# KiCad board mobo.kicad_pcb
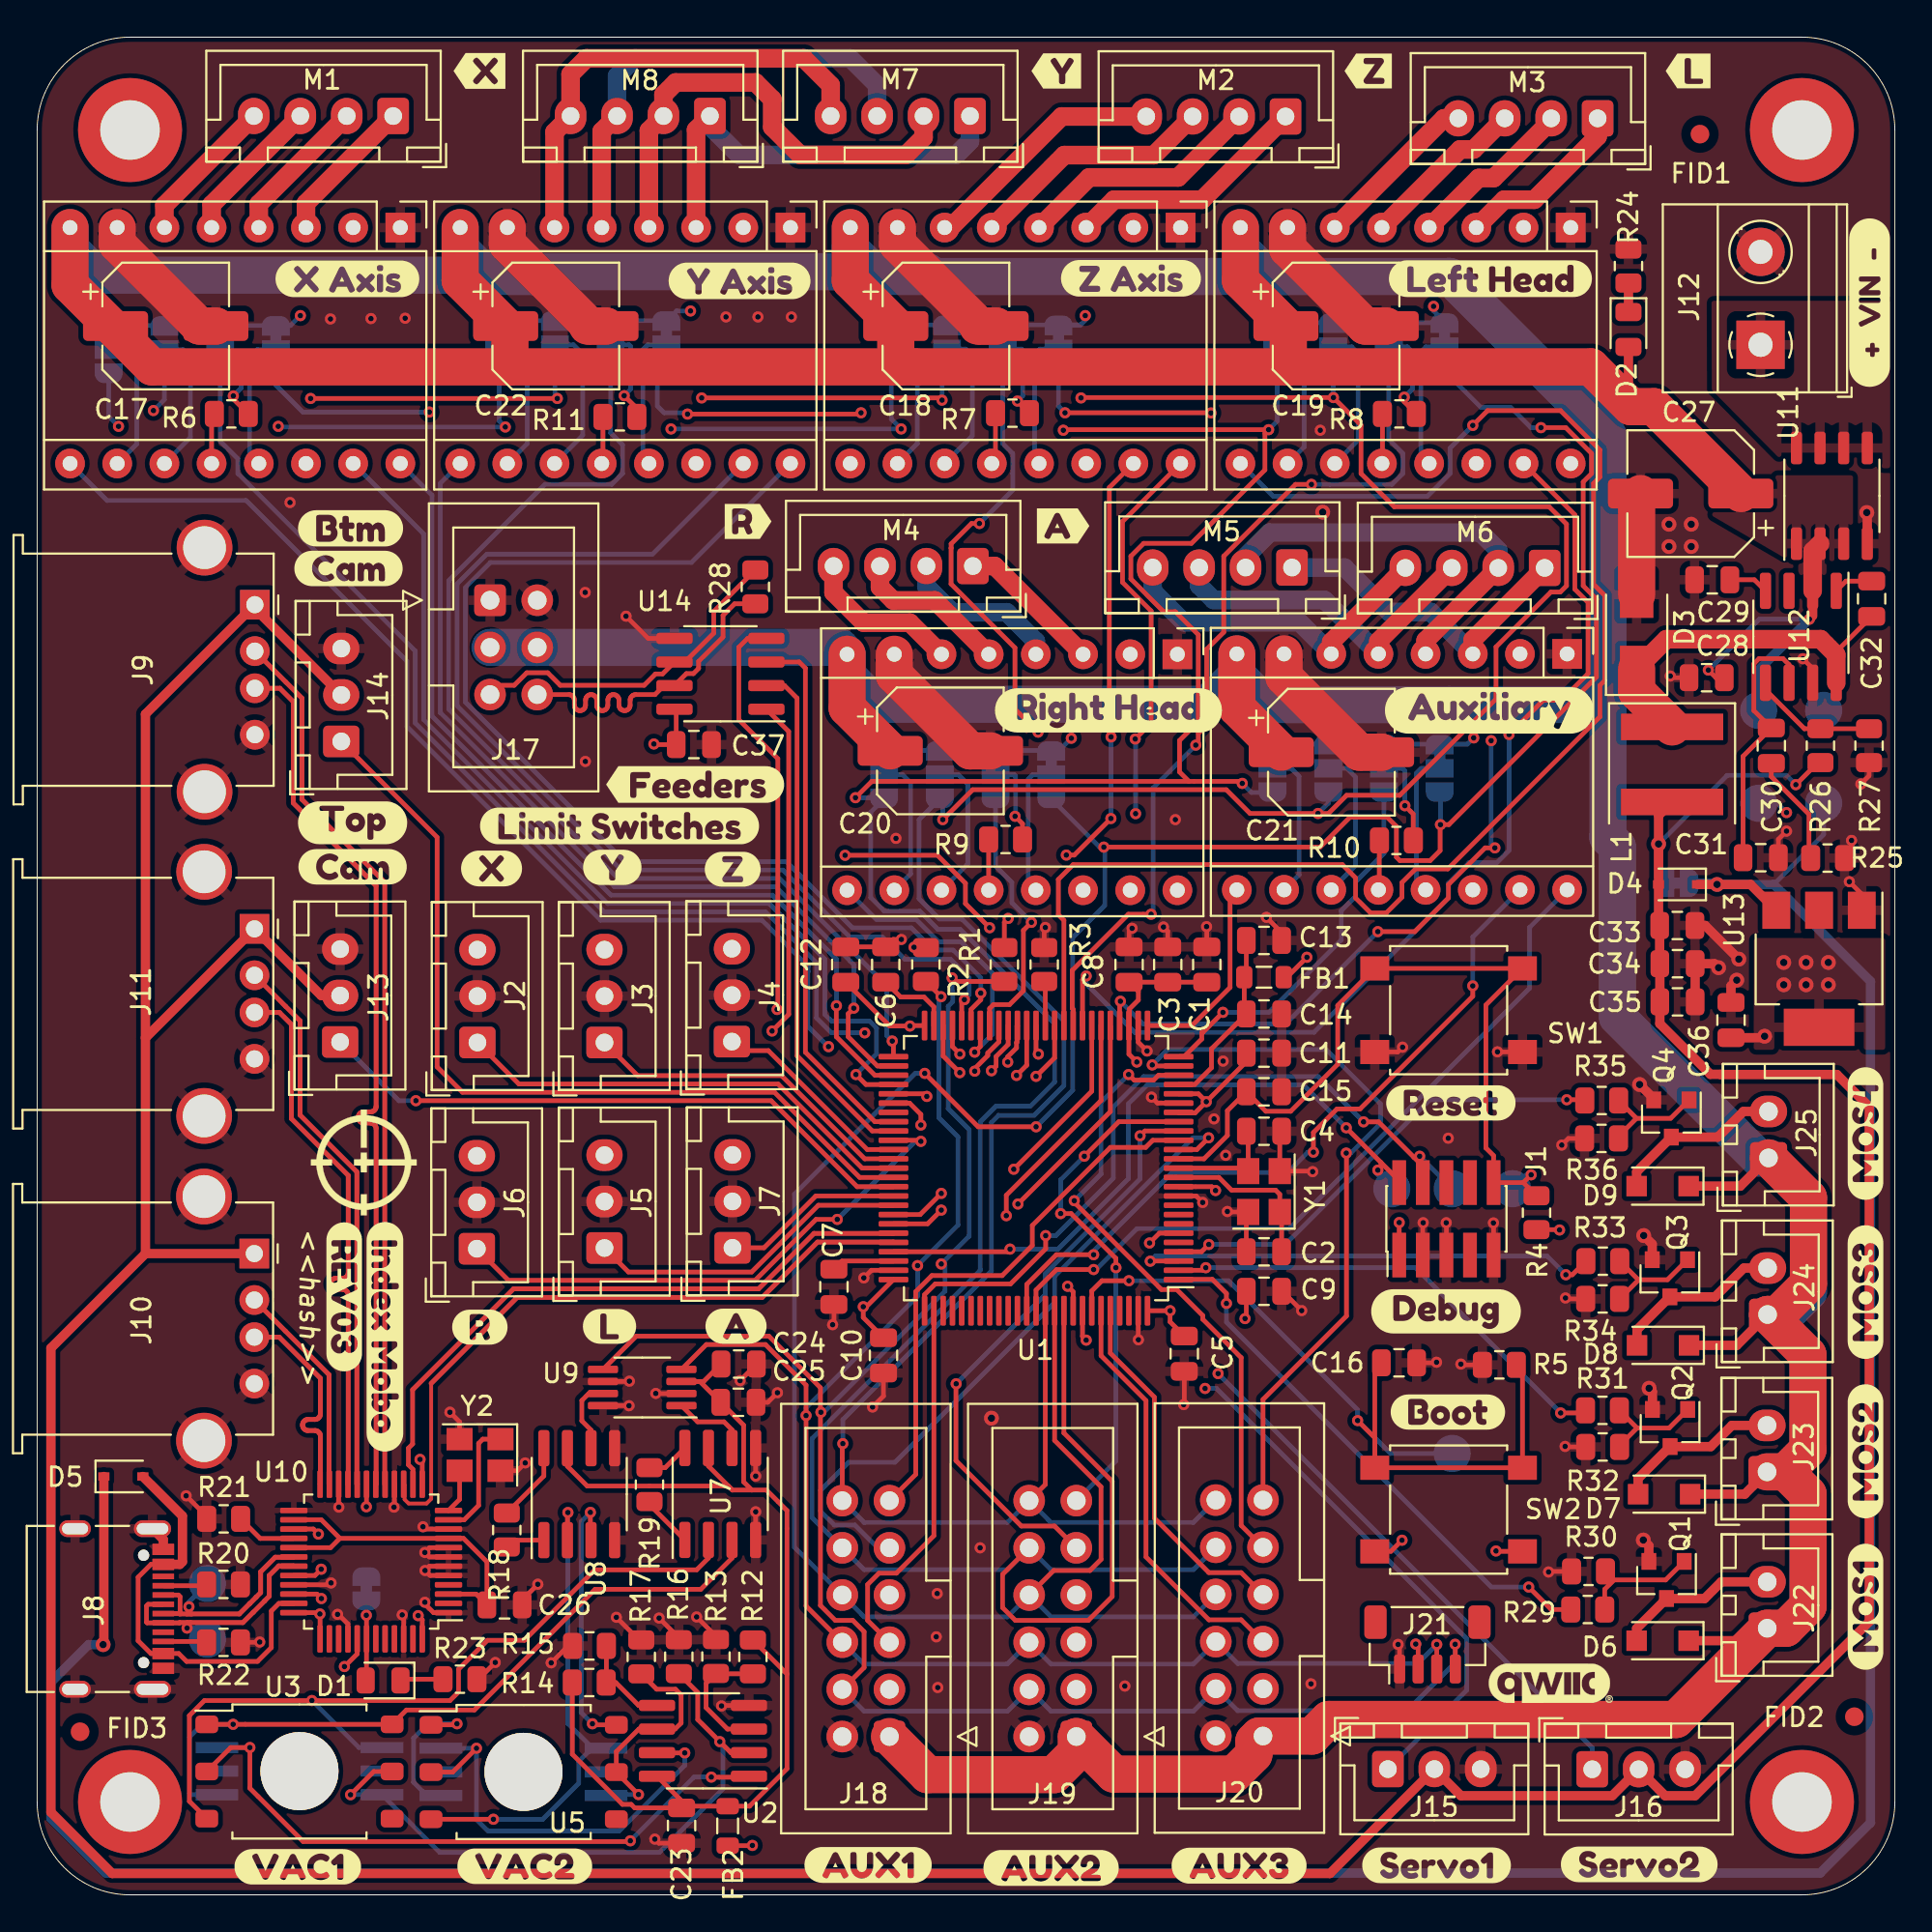
[diagram p0: board, top side]
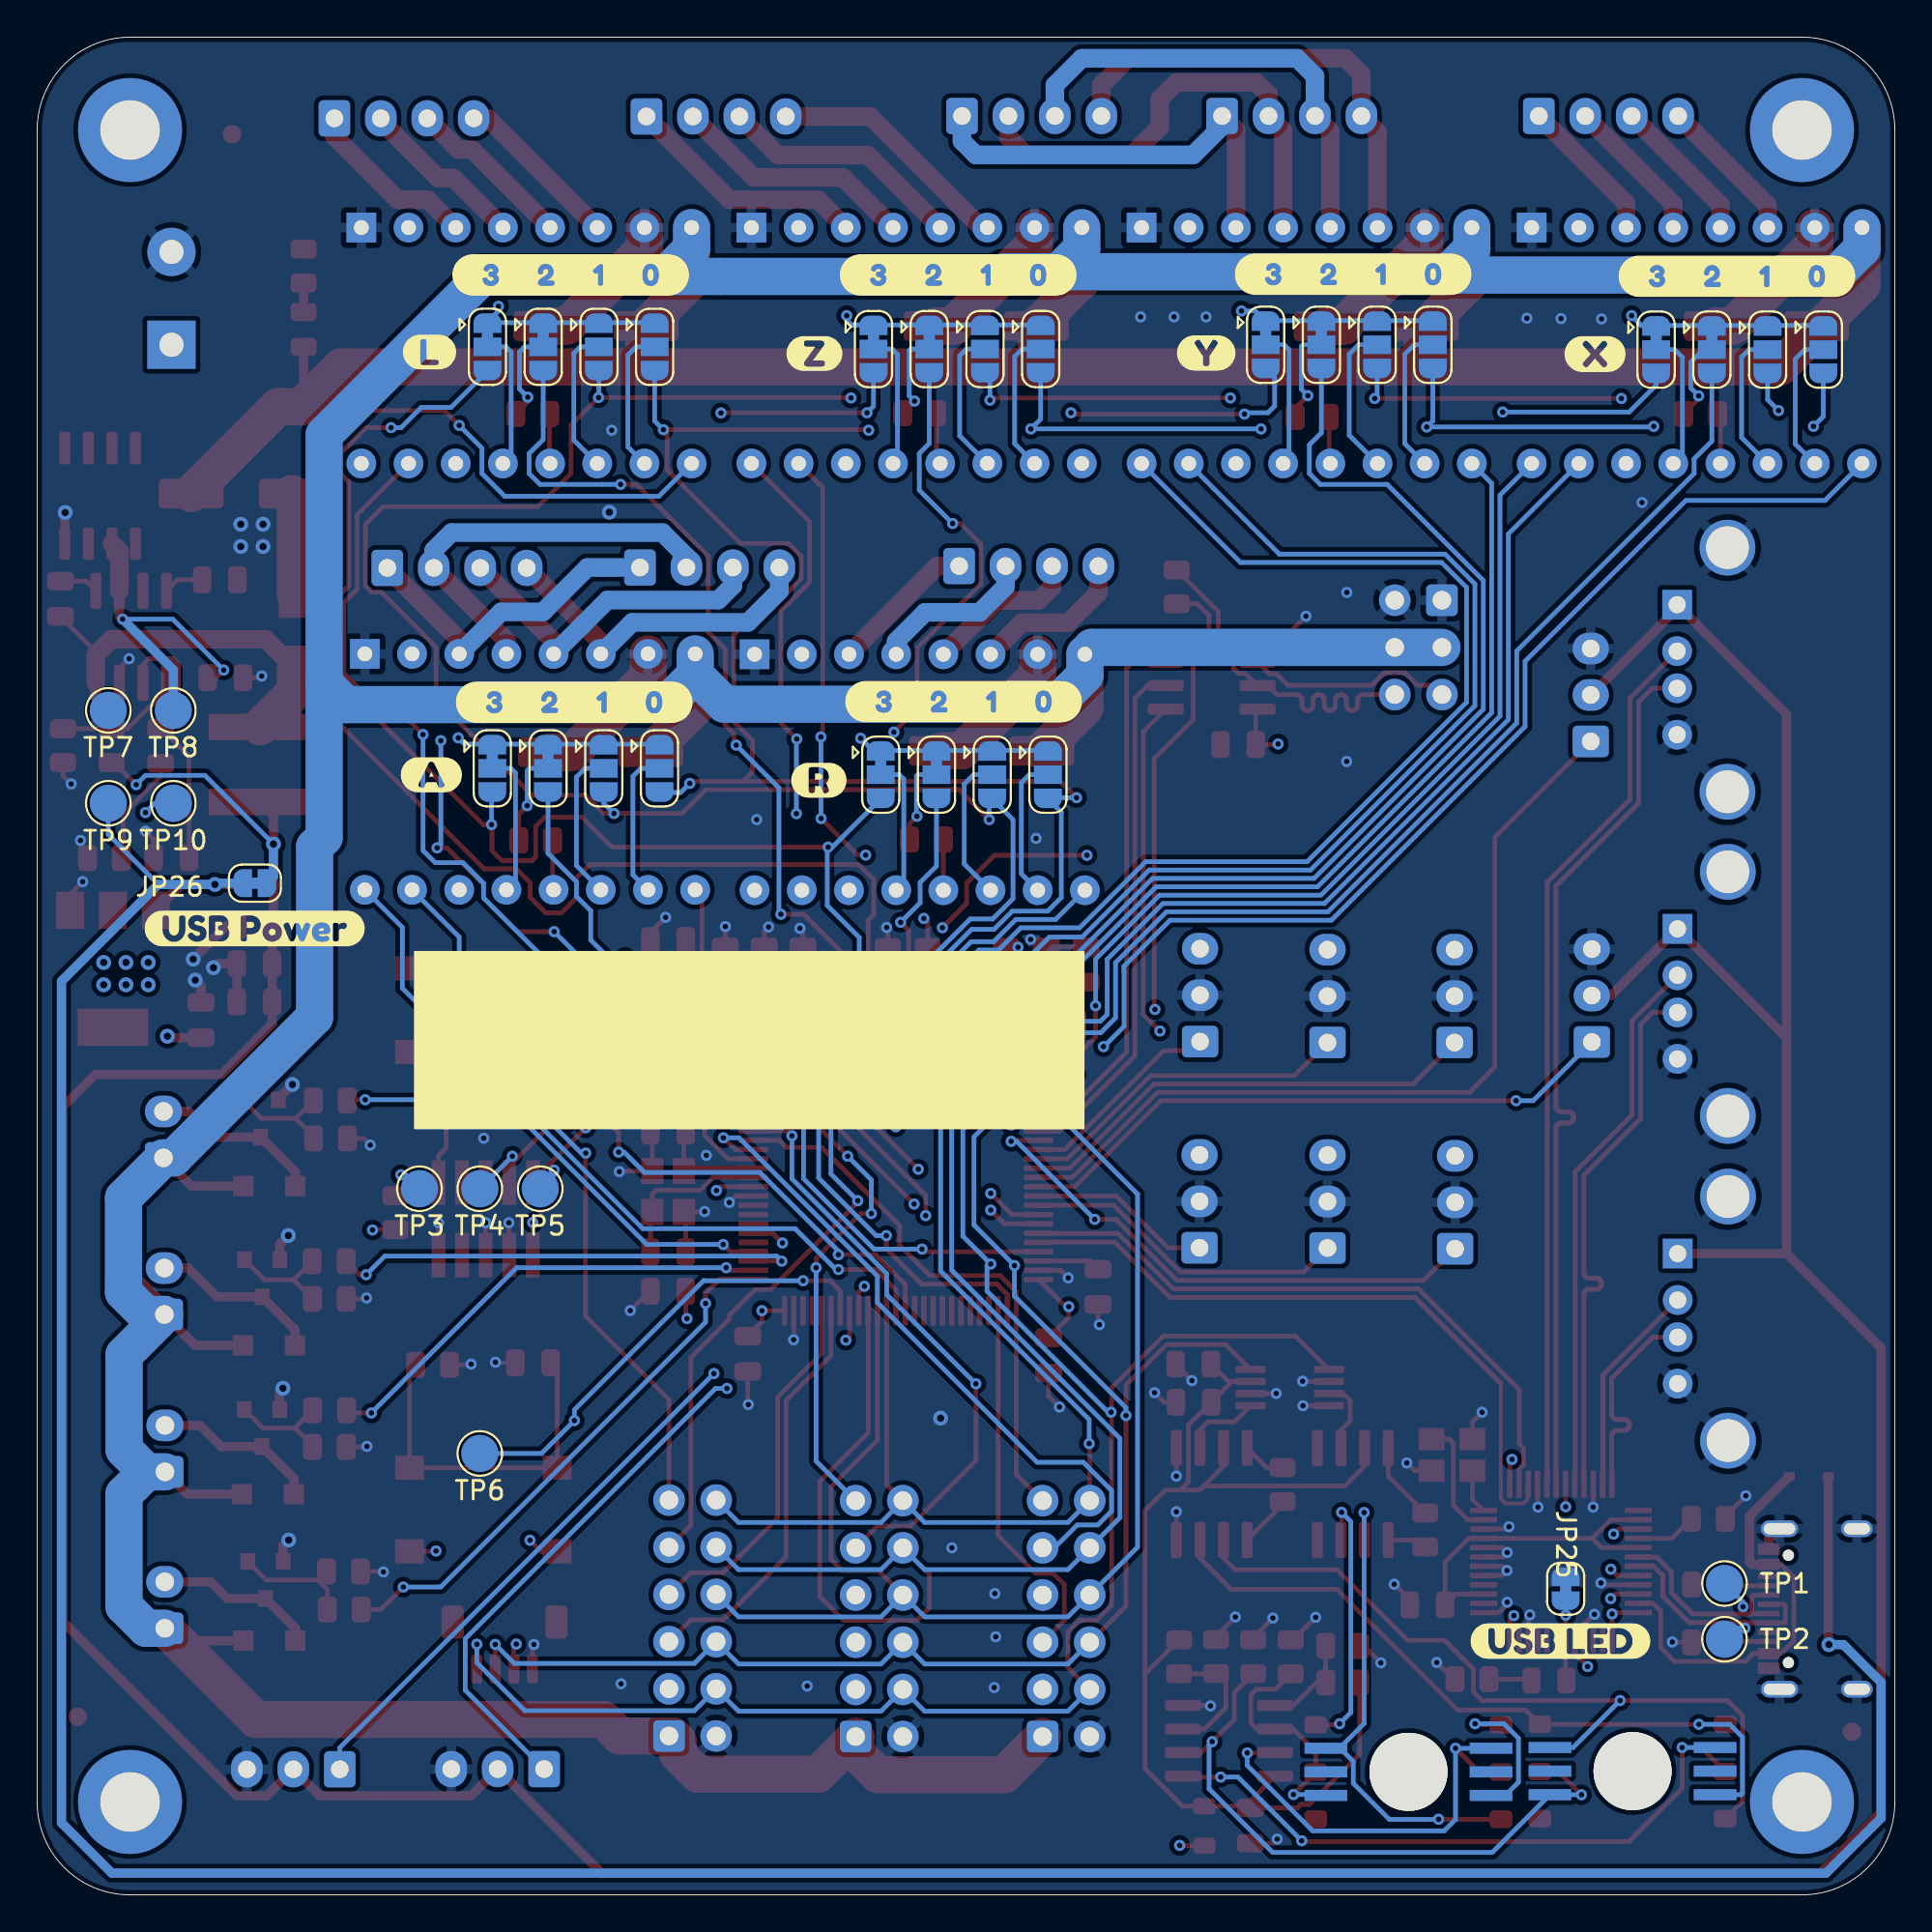
[diagram p1: board, bottom side, seen from below]

Outline 100 x 100 mm; copper layers: Top, In1.Cu (plane), In2.Cu (plane), Bottom. Coordinates in mm from the lower left corner of the outline.
Outline path: 0,95 0,5 arc(1.46,1.46) 5,0 95,0 arc(98.54,1.46) 100,5 100,95 arc(98.54,98.54) 95,100 5,100 arc(1.46,98.54) 0,95
Stack: Top 0.035mm / dielectric 0.48mm FR4 er 4.5 / In1.Cu 0.035mm / dielectric 0.48mm FR4 er 4.5 / In2.Cu 0.035mm / dielectric 0.48mm FR4 er 4.5 / Bottom 0.035mm

## Placement (name value [footprint] x y rotation side)
A1  Motor_Driver  [Pololu_Breakout-16_15.2x20.3mm]  19.55 89.75 270 top
A2  Motor_Driver  [Pololu_Breakout-16_15.2x20.3mm]  61.55 89.75 270 top
A3  Motor_Driver  [Pololu_Breakout-16_15.2x20.3mm]  82.55 89.75 270 top
A4  Motor_Driver  [Pololu_Breakout-16_15.2x20.3mm]  61.38 66.78 270 top
A5  Motor_Driver  [Pololu_Breakout-16_15.2x20.3mm]  82.36 66.8 270 top
A6  Motor_Driver  [Pololu_Breakout-16_15.2x20.3mm]  40.55 89.75 270 top
C1  2.2u  [C_0805_2012Metric]  62.96 50.08 90 top
C2  10p  [C_0805_2012Metric]  66.04 34.62 180 top
C3  2.2u  [C_0805_2012Metric]  60.86 50.08 90 top
C4  10p  [C_0805_2012Metric]  66.04 41.11 0 top
C5  100n  [C_0805_2012Metric]  61.75 29.13 270 top
C6  2.2u  [C_0805_2012Metric]  45.68 50.08 90 top
C7  2.2u  [C_0805_2012Metric]  42.89 32.73 270 top
C8  100n  [C_0805_2012Metric]  58.78 50.08 90 top
C9  100n  [C_0805_2012Metric]  66.04 32.49 0 top
C10  100n  [C_0805_2012Metric]  45.56 29.04 270 top
C11  100n  [C_0805_2012Metric]  66.04 45.31 0 top
C12  100n  [C_0805_2012Metric]  43.53 50.08 90 top
C13  100n  [C_0805_2012Metric]  66.04 51.38 0 top
C14  2.2u  [C_0805_2012Metric]  66.04 47.42 0 top
C15  100n  [C_0805_2012Metric]  66.04 43.23 0 top
C16  100n  [C_0805_2012Metric]  73.31 28.64 0 top
C17  100u  [CP_Elec_6.3x7.7]  6.92 84.45 0 top
C18  100u  [CP_Elec_6.3x7.7]  48.92 84.45 0 top
C19  100u  [CP_Elec_6.3x7.7]  69.92 84.45 0 top
C20  100u  [CP_Elec_6.3x7.7]  48.62 61.58 0 top
C21  100u  [CP_Elec_6.3x7.7]  69.67 61.51 0 top
C22  100u  [CP_Elec_6.3x7.7]  27.92 84.45 0 top
C23  100n  [C_0805_2012Metric]  34.69 3.73 270 top
C24  10u  [C_0805_2012Metric]  37.77 28.57 0 top
C25  100n  [C_0805_2012Metric]  37.75 26.51 0 top
C26  10u  [C_0805_2012Metric]  25.16 15.61 0 top
C27  100u  [CP_Elec_6.3x7.7]  89.01 75.43 180 top
C28  10n  [C_0805_2012Metric]  89.87 65.52 0 top
C29  10n  [C_0805_2012Metric]  90.17 70.79 0 top
C30  2.2n  [C_0805_2012Metric]  93.35 61.86 90 top
C31  22p  [C_0805_2012Metric]  92.78 55.83 180 top
C32  100n  [C_0805_2012Metric]  98.75 69.77 270 top
C33  22u  [C_0805_2012Metric]  88.29 52.18 180 top
C34  22u  [C_0805_2012Metric]  88.3 50.12 180 top
C35  22u  [C_0805_2012Metric]  88.3 48.07 180 top
C36  10u  [C_0805_2012Metric]  91.18 47.09 90 top
C37  100n  [C_0805_2012Metric]  35.35 61.92 0 top
D1  Yellow  [LED_0805_2012Metric]  18.62 11.54 180 top
D2  Yellow  [LED_0805_2012Metric]  85.66 84.26 270 top
D3  SS34  [D_SMA]  86.1 67.99 90 top
D4  CUS10S30  [D_SOD-323]  88.33 54.39 180 top
D5  CUS10S30  [D_SOD-323]  4.64 22.52 0 top
D6  SM4007  [D_SOD-123F]  87.5 13.68 180 top
D7  SM4007  [D_SOD-123F]  87.58 21.57 180 top
D8  SM4007  [D_SOD-123F]  87.52 29.58 180 top
D9  SM4007  [D_SOD-123F]  87.5 38.15 180 top
FB1  2.5k  [L_0805_2012Metric]  66.04 49.4 0 top
FB2  2.5k  [L_0805_2012Metric]  37.17 3.71 270 top
FID1  Fiducial  [Fiducial_1mm_Mask2mm]  89.51 94.78 0 top
FID2  Fiducial  [Fiducial_1mm_Mask2mm]  97.82 9.59 0 top
FID3  Fiducial  [Fiducial_1mm_Mask2mm]  2.31 8.78 180 top
G***  LOGO  [logo]  17.59 39.43 270 top
G***#2  LOGO  [qwicc_logo]  81.43 11.45 0 top
G***#3  LOGO  [goblin]  86.94 13.63 225 bottom
H1  MountingHole  [MountingHole_3.2mm_M3_DIN965_Pad]  5 95 0 top
H2  MountingHole  [MountingHole_3.2mm_M3_DIN965_Pad]  5 5 0 top
H3  MountingHole  [MountingHole_3.2mm_M3_DIN965_Pad]  95 95 0 top
H4  MountingHole  [MountingHole_3.2mm_M3_DIN965_Pad]  95 5 0 top
J1  SWD Header  [PinHeader_2x05_P1.27mm_Vertical_SMD]  75.86 36.39 90 top
J2  X_LIMIT  [JST_XH_B3B-XH-A_1x03_P2.50mm_Vertical]  23.7 45.88 90 top
J3  Y_LIMIT  [JST_XH_B3B-XH-A_1x03_P2.50mm_Vertical]  30.54 45.88 90 top
J4  Z_LIMIT  [JST_XH_B3B-XH-A_1x03_P2.50mm_Vertical]  37.4 45.93 90 top
J5  L_LIMIT  [JST_XH_B3B-XH-A_1x03_P2.50mm_Vertical]  30.54 34.82 90 top
J6  R_LIMIT  [JST_XH_B3B-XH-A_1x03_P2.50mm_Vertical]  23.67 34.78 90 top
J7  A_LIMIT  [JST_XH_B3B-XH-A_1x03_P2.50mm_Vertical]  37.43 34.83 90 top
J8  Host  [USB_C_Receptacle_Palconn_UTC16-G]  4.28 15.39 270 top
J9  Bottom Camera  [USB_A_Stewart_SS-52100-001_Horizontal]  11.72 69.45 270 top
J10  AUX USB  [USB_A_Stewart_SS-52100-001_Horizontal]  11.69 34.52 270 top
J11  Top Camera  [USB_A_Stewart_SS-52100-001_Horizontal]  11.7 52 270 top
J12  Power  [TerminalBlock_Phoenix_MKDS-1,5-2_1x02_P5.00mm_Horizontal]  92.77 83.44 90 top
J13  DOWNWARDS_LIGHT  [JST_XH_B3B-XH-A_1x03_P2.50mm_Vertical]  16.31 45.91 90 top
J14  UPWARDS_LIGHT  [JST_XH_B3B-XH-A_1x03_P2.50mm_Vertical]  16.37 62.09 90 top
J15  SERVO1  [JST_XH_B3B-XH-A_1x03_P2.50mm_Vertical]  72.71 6.77 0 top
J16  SERVO2  [JST_XH_B3B-XH-A_1x03_P2.50mm_Vertical]  83.71 6.76 0 top
J17  Feeders  [IDC-Header_2x03_P2.54mm_Vertical]  24.38 69.69 0 top
J18  AUX  [IDC-Header_2x06_P2.54mm_Vertical]  45.88 8.52 180 top
J19  AUX  [IDC-Header_2x06_P2.54mm_Vertical]  55.94 8.52 180 top
J20  AUX  [IDC-Header_2x06_P2.54mm_Vertical]  65.99 8.55 180 top
J21  qwiic  [JST_SH_BM04B-SRSS-TB_1x04-1MP_P1.00mm_Vertical]  74.84 13.48 0 top
J22  Mosfet  [JST_XH_B2B-XH-A_1x02_P2.50mm_Vertical]  93.13 14.35 90 top
J23  Mosfet  [JST_XH_B2B-XH-A_1x02_P2.50mm_Vertical]  93.12 22.77 90 top
J24  Mosfet  [JST_XH_B2B-XH-A_1x02_P2.50mm_Vertical]  93.15 31.24 90 top
J25  Mosfet  [JST_XH_B2B-XH-A_1x02_P2.50mm_Vertical]  93.2 39.67 90 top
JP1  CFG0  [SolderJumper-3_P1.3mm_Open_RoundedPad1.0x1.5mm]  3.85 83.18 270 bottom
JP2  CFG2  [SolderJumper-3_P1.3mm_Bridged23_RoundedPad1.0x1.5mm]  9.85 83.18 270 bottom
JP3  CFG1  [SolderJumper-3_P1.3mm_Open_RoundedPad1.0x1.5mm]  6.85 83.18 270 bottom
JP4  CFG3  [SolderJumper-3_P1.3mm_Bridged12_RoundedPad1.0x1.5mm]  12.85 83.18 270 bottom
JP5  CFG0  [SolderJumper-3_P1.3mm_Open_RoundedPad1.0x1.5mm]  45.98 83.21 270 bottom
JP6  CFG2  [SolderJumper-3_P1.3mm_Bridged23_RoundedPad1.0x1.5mm]  51.98 83.21 270 bottom
JP7  CFG1  [SolderJumper-3_P1.3mm_Open_RoundedPad1.0x1.5mm]  48.98 83.21 270 bottom
JP8  CFG3  [SolderJumper-3_P1.3mm_Bridged12_RoundedPad1.0x1.5mm]  54.98 83.21 270 bottom
JP9  CFG0  [SolderJumper-3_P1.3mm_Open_RoundedPad1.0x1.5mm]  66.76 83.33 270 bottom
JP10  CFG2  [SolderJumper-3_P1.3mm_Bridged23_RoundedPad1.0x1.5mm]  72.76 83.33 270 bottom
JP11  CFG1  [SolderJumper-3_P1.3mm_Open_RoundedPad1.0x1.5mm]  69.76 83.33 270 bottom
JP12  CFG3  [SolderJumper-3_P1.3mm_Bridged12_RoundedPad1.0x1.5mm]  75.76 83.33 270 bottom
JP13  CFG0  [SolderJumper-3_P1.3mm_Open_RoundedPad1.0x1.5mm]  45.59 60.3 270 bottom
JP14  CFG2  [SolderJumper-3_P1.3mm_Bridged23_RoundedPad1.0x1.5mm]  51.59 60.3 270 bottom
JP15  CFG1  [SolderJumper-3_P1.3mm_Open_RoundedPad1.0x1.5mm]  48.59 60.3 270 bottom
JP16  CFG3  [SolderJumper-3_P1.3mm_Bridged12_RoundedPad1.0x1.5mm]  54.59 60.3 270 bottom
JP17  CFG0  [SolderJumper-3_P1.3mm_Open_RoundedPad1.0x1.5mm]  66.5 60.64 270 bottom
JP18  CFG2  [SolderJumper-3_P1.3mm_Bridged23_RoundedPad1.0x1.5mm]  72.5 60.64 270 bottom
JP19  CFG1  [SolderJumper-3_P1.3mm_Open_RoundedPad1.0x1.5mm]  69.5 60.64 270 bottom
JP20  CFG3  [SolderJumper-3_P1.3mm_Bridged12_RoundedPad1.0x1.5mm]  75.5 60.64 270 bottom
JP21  CFG0  [SolderJumper-3_P1.3mm_Open_RoundedPad1.0x1.5mm]  24.87 83.44 270 bottom
JP22  CFG2  [SolderJumper-3_P1.3mm_Bridged23_RoundedPad1.0x1.5mm]  30.87 83.44 270 bottom
JP23  CFG1  [SolderJumper-3_P1.3mm_Open_RoundedPad1.0x1.5mm]  27.87 83.44 270 bottom
JP24  CFG3  [SolderJumper-3_P1.3mm_Bridged12_RoundedPad1.0x1.5mm]  33.87 83.44 270 bottom
JP25  USB_LED  [SolderJumper-2_P1.3mm_Bridged_RoundedPad1.0x1.5mm]  17.72 16.48 90 bottom
JP26  EN_VBUS  [SolderJumper-2_P1.3mm_Bridged_RoundedPad1.0x1.5mm]  88.28 54.46 0 bottom
kibuzzard-61025CA6  G***  [label]  98.64 85.71 90 top
kibuzzard-61046E92  G***  [label]  16.87 73.56 0 top
kibuzzard-61046EDB  G***  [label]  78.17 63.76 0 top
L1  12u  [L_Coilcraft_XAL60xx_6.36x6.56mm]  88.01 60.85 270 top
M1  Stepper_Motor  [JST_XH_B4B-XH-A_1x04_P2.50mm_Vertical]  19.17 95.75 180 top
M2  Stepper_Motor  [JST_XH_B4B-XH-A_1x04_P2.50mm_Vertical]  67.2 95.73 180 top
M3  Stepper_Motor  [JST_XH_B4B-XH-A_1x04_P2.50mm_Vertical]  84 95.63 180 top
M4  Stepper_Motor  [JST_XH_B4B-XH-A_1x04_P2.50mm_Vertical]  50.37 71.53 180 top
M5  MOTOR1  [JST_XH_B4B-XH-A_1x04_P2.50mm_Vertical]  67.55 71.45 180 top
M6  MOTOR2  [JST_XH_B4B-XH-A_1x04_P2.50mm_Vertical]  81.15 71.43 180 top
M7  MOTOR1  [JST_XH_B4B-XH-A_1x04_P2.50mm_Vertical]  50.22 95.75 180 top
M8  MOTOR2  [JST_XH_B4B-XH-A_1x04_P2.50mm_Vertical]  36.22 95.75 180 top
Q1  AO3400A  [SOT-23]  87.71 16.95 270 top
Q2  AO3400A  [SOT-23]  87.9 25.13 270 top
Q3  AO3400A  [SOT-23]  87.89 33.19 270 top
Q4  AO3400A  [SOT-23]  87.97 41.79 270 top
R1  4.7k  [R_0805_2012Metric]  52.06 50.08 270 top
R2  4.7k  [R_0805_2012Metric]  47.84 50.08 270 top
R3  10k  [R_0805_2012Metric]  54.21 50.08 90 top
R4  10k  [R_0805_2012Metric]  80.71 36.72 90 top
R5  10k  [R_0805_2012Metric]  78.71 28.53 180 top
R6  1k  [R_0805_2012Metric]  10.45 79.72 0 top
R7  1k  [R_0805_2012Metric]  52.5 79.76 0 top
R8  1k  [R_0805_2012Metric]  73.33 79.72 0 top
R9  1k  [R_0805_2012Metric]  52.13 56.81 0 top
R10  1k  [R_0805_2012Metric]  73.17 56.76 0 top
R11  1k  [R_0805_2012Metric]  31.37 79.56 0 top
R12  4.7k  [R_0805_2012Metric]  38.53 12.81 270 top
R13  2.7k  [R_0805_2012Metric]  36.54 12.83 90 top
R14  4.7k  [R_0805_2012Metric]  29.72 11.43 0 top
R15  2.7k  [R_0805_2012Metric]  29.73 13.4 180 top
R16  402  [R_0805_2012Metric]  34.54 12.82 90 top
R17  402  [R_0805_2012Metric]  32.52 12.81 90 top
R18  27R  [R_0805_2012Metric]  25.28 19.64 90 top
R19  27R  [R_0805_2012Metric]  32.96 22.08 90 top
R20  5.1k  [R_0805_2012Metric]  10.03 16.71 0 top
R21  2.7k  [R_0805_2012Metric]  10.04 20.24 180 top
R22  5.1k  [R_0805_2012Metric]  10.03 13.59 0 top
R23  560  [R_0805_2012Metric]  22.76 11.61 0 top
R24  10k  [R_0805_2012Metric]  85.66 87.68 90 top
R25  12.1k  [R_0805_2012Metric]  96.38 55.81 0 top
R26  10k  [R_0805_2012Metric]  95.99 61.86 90 top
R27  1.91k  [R_0805_2012Metric]  98.61 61.86 270 top
R28  120  [R_0805_2012Metric]  38.66 70.41 270 top
R29  560  [R_0805_2012Metric]  83.47 15.36 0 top
R30  36k  [R_0805_2012Metric]  83.51 17.41 0 top
R31  560  [R_0805_2012Metric]  84.26 26.08 0 top
R32  36k  [R_0805_2012Metric]  84.27 24.11 0 top
R33  560  [R_0805_2012Metric]  84.28 34.11 0 top
R34  36k  [R_0805_2012Metric]  84.27 32.08 0 top
R35  560  [R_0805_2012Metric]  84.22 42.76 0 top
R36  36k  [R_0805_2012Metric]  84.21 40.72 0 top
svg2mod  G***  [label]  16.98 57.71 0 top
svg2mod#2  G***  [label]  16.98 55.34 0 top
svg2mod#3  G***  [label]  24.46 55.25 0 top
svg2mod#4  G***  [label]  31.35 57.54 0 top
svg2mod#5  G***  [label]  35.42 59.77 0 top
svg2mod#6  G***  [label]  16.76 71.4 0 top
svg2mod#7  G***  [label]  18.72 30.04 270 top
svg2mod#8  G***  [label]  16.53 32.19 270 top
svg2mod#9  G***  [label]  23.83 30.56 0 top
svg2mod#10  G***  [label]  30.81 30.6 0 top
svg2mod#11  G***  [label]  37.62 30.61 0 top
svg2mod#12  G***  [label]  37.44 55.21 0 top
svg2mod#13  G***  [label]  30.96 55.31 0 top
svg2mod#14  G***  [label]  98.42 15.51 90 top
svg2mod#15  G***  [label]  98.42 32.45 90 top
svg2mod#16  G***  [label]  98.42 40.98 90 top
svg2mod#17  G***  [label]  98.42 23.88 90 top
svg2mod#18  G***  [label]  76.1 42.63 0 top
svg2mod#19  G***  [label]  75.94 25.99 0 top
svg2mod#20  G***  [label]  75.84 31.41 0 top
svg2mod#21  G***  [label]  75.33 1.59 0 top
svg2mod#22  G***  [label]  86.24 1.64 0 top
svg2mod#23  G***  [label]  44.73 1.61 0 top
svg2mod#24  G***  [label]  54.58 1.45 0 top
svg2mod#25  G***  [label]  64.7 1.57 0 top
svg2mod#26  G***  [label]  14.03 1.51 0 top
svg2mod#27  G***  [label]  26.25 1.54 0 top
svg2mod#28  G***  [label]  23.81 98.18 0 top
svg2mod#29  G***  [label]  54.86 98.18 0 top
svg2mod#30  G***  [label]  71.65 98.18 0 top
svg2mod#31  G***  [label]  88.87 98.18 0 top
svg2mod#32  G***  [label]  38.27 73.93 0 top
svg2mod#33  G***  [label]  55.23 73.69 0 top
svg2mod#34  G***  [label]  16.7 86.99 0 top
svg2mod#35  G***  [label]  37.81 86.88 0 top
svg2mod#36  G***  [label]  58.88 87.02 0 top
svg2mod#37  G***  [label]  78.23 87 0 top
svg2mod#38  G***  [label]  57.67 63.76 0 top
svg2mod#39  G***  [label]  50.13 64.23 180 bottom
svg2mod#40  G***  [label]  8.5 87.13 180 bottom
svg2mod#41  G***  [label]  16.14 82.94 180 bottom
svg2mod#42  G***  [label]  37.07 83 180 bottom
svg2mod#43  G***  [label]  58.16 82.97 180 bottom
svg2mod#44  G***  [label]  78.88 83.05 180 bottom
svg2mod#45  G***  [label]  57.92 60 180 bottom
svg2mod#46  G***  [label]  78.78 60.29 180 bottom
svg2mod#47  G***  [label]  88.29 52.02 180 bottom
svg2mod#48  G***  [label]  18 13.66 180 bottom
svg2mod#49  G***  [label]  29.16 87.24 180 bottom
svg2mod#50  G***  [label]  50.42 87.2 180 bottom
svg2mod#51  G***  [label]  71.28 87.2 180 bottom
svg2mod#52  G***  [label]  71.09 64.2 180 bottom
SW1  SW_Push  [SW_SPST_B3S-1000]  75.98 47.62 180 top
SW2  SW_Push  [SW_SPST_B3S-1000]  75.98 20.74 0 top
TP1  MD-_TestPoint  [TestPoint_Pad_D2.0mm]  9.17 16.76 0 bottom
TP2  MD+_TestPoint  [TestPoint_Pad_D2.0mm]  9.17 13.76 0 bottom
TP3  RESET_TestPoint  [TestPoint_Pad_D2.0mm]  79.42 38.01 0 bottom
TP4  SWCLK_TestPoint  [TestPoint_Pad_D2.0mm]  76.17 38.01 0 bottom
TP5  SWDIO_TestPoint  [TestPoint_Pad_D2.0mm]  72.92 38.01 0 bottom
TP6  BOOT0_TestPoint  [TestPoint_Pad_D2.0mm]  76.17 23.76 0 bottom
TP7  GND_TestPoint  [TestPoint_Pad_D2.0mm]  96.17 63.76 0 bottom
TP8  VDC_TestPoint  [TestPoint_Pad_D2.0mm]  92.67 63.76 0 bottom
TP9  5V_TestPoint  [TestPoint_Pad_D2.0mm]  96.17 58.76 0 bottom
TP10  3V3_TestPoint  [TestPoint_Pad_D2.0mm]  92.67 58.76 0 bottom
U1  STM32F407VETx  [LQFP-100_14x14mm_P0.5mm]  53.77 39.12 180 top
U2  TL072  [SOIC-8_3.9x4.9mm_P1.27mm]  35.84 8.29 180 top
U3  XGZP101SB1  [SO-6_7x7mm_P2.54mm]  14.12 6.64 0 top
U4  -  [2SMPP-03]  26.18 6.62 180 bottom
U5  XGZP101SB1  [SO-6_7x7mm_P2.54mm]  26.19 6.61 0 top
U6  -  [2SMPP-03]  14.12 6.66 180 bottom
U7  INA128  [SOIC-8_3.9x4.9mm_P1.27mm]  36.77 21.58 90 top
U8  INA128  [SOIC-8_3.9x4.9mm_P1.27mm]  29.18 21.57 90 top
U9  MCP3426-xMS  [MSOP-8_3x3mm_P0.65mm]  32.57 27.31 180 top
U10  FE1.1  [LQFP-48_7x7mm_P0.5mm]  17.98 17.94 180 top
U11  FDS4435BZ  [SO-8_3.9x4.9mm_P1.27mm]  96.61 75.31 90 top
U12  TPS54331  [SOIC-8_3.9x4.9mm_P1.27mm]  94.94 67.72 270 top
U13  AP1117-33  [SOT-223-3_TabPin2]  95.92 49.85 270 top
U14  MAX3078E  [SOIC-8_3.9x4.9mm_P1.27mm]  36.78 65.73 180 top
Y1  8MHz  [Crystal_SMD_3225-4Pin_3.2x2.5mm]  66.04 37.86 90 top
Y2  12MHz  [Crystal_SMD_3225-4Pin_3.2x2.5mm]  23.84 23.68 180 top

## Library data of the parts
C1 C3 C6 C7 C14 = -: Digikey: 587-4961-1-ND; JLCPCB: C49217; LCSC: C49217; Mouser: 963-UMK212ABJ225KG-T
C2 C4 = -: JLCPCB: C1785; LCSC: C525280
C5 C8-C13 C15 C16 C23 C25 C32 C37 = -: Digikey: 1276-1180-1-ND; JLCPCB: C49678; LCSC: C360619; Mouser: 581-08055C104K
C17-C22 C27 = -: Digikey: 493-2203-1-ND; JLCPCB: C99837; LCSC: C3339; Mouser: 647-UWT1V101MCL1S
C24 C26 C36 = -: Digikey: 490-18663-1-ND; JLCPCB: C15850; LCSC: C17024; Mouser: 81-GRM21BR61H106KE3L
C28 C29 = -: Digikey: 1276-1015-1-ND; JLCPCB: C1710; LCSC: C1710; Mouser: 187-CL21B103KBANNNC
C30 = -: Digikey: 1276-2993-1-ND; JLCPCB: C28260; LCSC: C28260; Mouser: 187-CL21C222JBFNNNE
C31 = -: Digikey: 311-1103-1-ND; JLCPCB: C1804; LCSC: C123642; Mouser: 603-CC805JRNPO9BN220
C33-C35 = -: JLCPCB: C45783; LCSC: C5674
D1 = -: Config: +USBPWR; Digikey: 732-4987-1-ND; JLCPCB: C2296; LCSC: C779458; Mouser: 710-150080YS75000
D2 = -: Digikey: 732-4987-1-ND; JLCPCB: C2296; LCSC: C779458; Mouser: 710-150080YS75000
D3 = -: Digikey: 641-2115-1-ND; JLCPCB: C8678; LCSC: C266553; Mouser: 821-SS34LRVG; Notes: Vf<=0.55V,I>=2A,Vr>=24V
D4 D5 = -: Config: +USBPWR; JLCPCB: C146335; LCSC: C146335
D6-D9 = -: Digikey: SM4007PL-TPMSCT-ND; JLCPCB: C64898; LCSC: C64898; Mouser: 833-SM4007PL-TP
FB1 FB2 = -: JLCPCB: C1017; LCSC: C316257
J1 = -: Config: +Debug; LCSC: C150517
J2-J7 J13-J16 = -: Digikey: 455-2248-ND; JLCPCB: C2316; LCSC: C2316
J8 = -: Digikey: 2073-USB4105-GF-ACT-ND; JLCPCB: C165948; LCSC: C165948
J9-J11 = -: Digikey: 2987-CU01SAH0S00-ND; JLCPCB: C503996; LCSC: C503996; Mouser: 649-87520-0012BLF
J12 = -: JLCPCB: C8269; LCSC: C8269
J17 = -: JLCPCB: C601936; LCSC: C601936
J18-J20 = -: LCSC: C9136
J21 = -: Config: +qwiic; LCSC: C145961
J22-J25 = -: Digikey: 455-2247-ND; JLCPCB: C20079; LCSC: C20079
L1 = -: Digikey: ASPI-6045S-120M-TCT-ND; LCSC: C168077; Mouser: 815-ASPI-6045S-120MT
M1-M8 = -: Digikey: 455-2249-ND; JLCPCB: C37815; LCSC: C37815
Q1-Q4 = -: Digikey: IRLML6344TRPBFCT-ND; JLCPCB: C332101; LCSC: C427382; Mouser: 942-IRLML6344TRPBF
R1 R2 = -: Digikey: A129757CT-ND; JLCPCB: C17673; LCSC: C17673; Mouser: 71-CRCW08054K70FKEAC
R3-R5 R24 = -: Digikey: RMCF0805FT10K0CT-ND; JLCPCB: C17414; LCSC: C115295; Mouser: 71-CRCW080510K0FKEAC
R6-R11 = -: JLCPCB: C17513; LCSC: C17513
R12 R14 = -: Digikey: A129757CT-ND; JLCPCB: C17673; LCSC: C17673; Mouser: 71-CRCW08054K70FKEAC; Notes: 1%
R13 R15 R21 = -: Digikey: A129754CT-ND; JLCPCB: C17530; LCSC: C139909; Mouser: 652-CR0805FX-2701ELF; Notes: 1%
R16 R17 = -: 2SMPP:Digikey: TBD; 2SMPP:JLCPCB: TBD; 2SMPP:LCSC: TBD; 2SMPP:Mouser: TBD; 2SMPP:Value: 12.1k; LCSC: C204479; Notes: 1%
R18 R19 = -: 2SMPP:Digikey: TBD; 2SMPP:JLCPCB: TBD; 2SMPP:LCSC: TBD; 2SMPP:Mouser: TBD; 2SMPP:Value: 820; Digikey: A126357CT-ND; JLCPCB: C104170; LCSC: C104170; Mouser: 603-RT0805FRE0727RL; Notes: 1%
R20 R22 = -: Digikey: 541-CRCW08055K10FKEACCT-ND; JLCPCB: C27834; LCSC: C115337; Mouser: 71-CRCW08055K10FKEAC
R23 = -: Config: +USBPWR; Digikey: RHM560AHCT-ND; JLCPCB: C28636; LCSC: C28636; Mouser: 667-ERJ-6ENF5600V
R25 = -: Digikey: 541-12.1KCCT-ND; JLCPCB: C17431; LCSC: C139928; Mouser: 71-CRCW0805-12.1K-E3; Notes: 1%
R26 = -: Digikey: RMCF0805FT10K0CT-ND; JLCPCB: C17414; LCSC: C115295; Mouser: 71-CRCW080510K0FKEAC; Notes: 1%
R27 = -: Digikey: 541-1.91KCCT-ND; JLCPCB: C17401; LCSC: C17401; Mouser: 71-CRCW08051K91FKEA
R28 = -: Digikey: 541-120CCT-ND; JLCPCB: C17437; LCSC: C131390; Mouser: 71-CRCW0805120RFKEA